# KiCad board Ultrasonic Sound Steering - Driver Rev. C.kicad_pcb
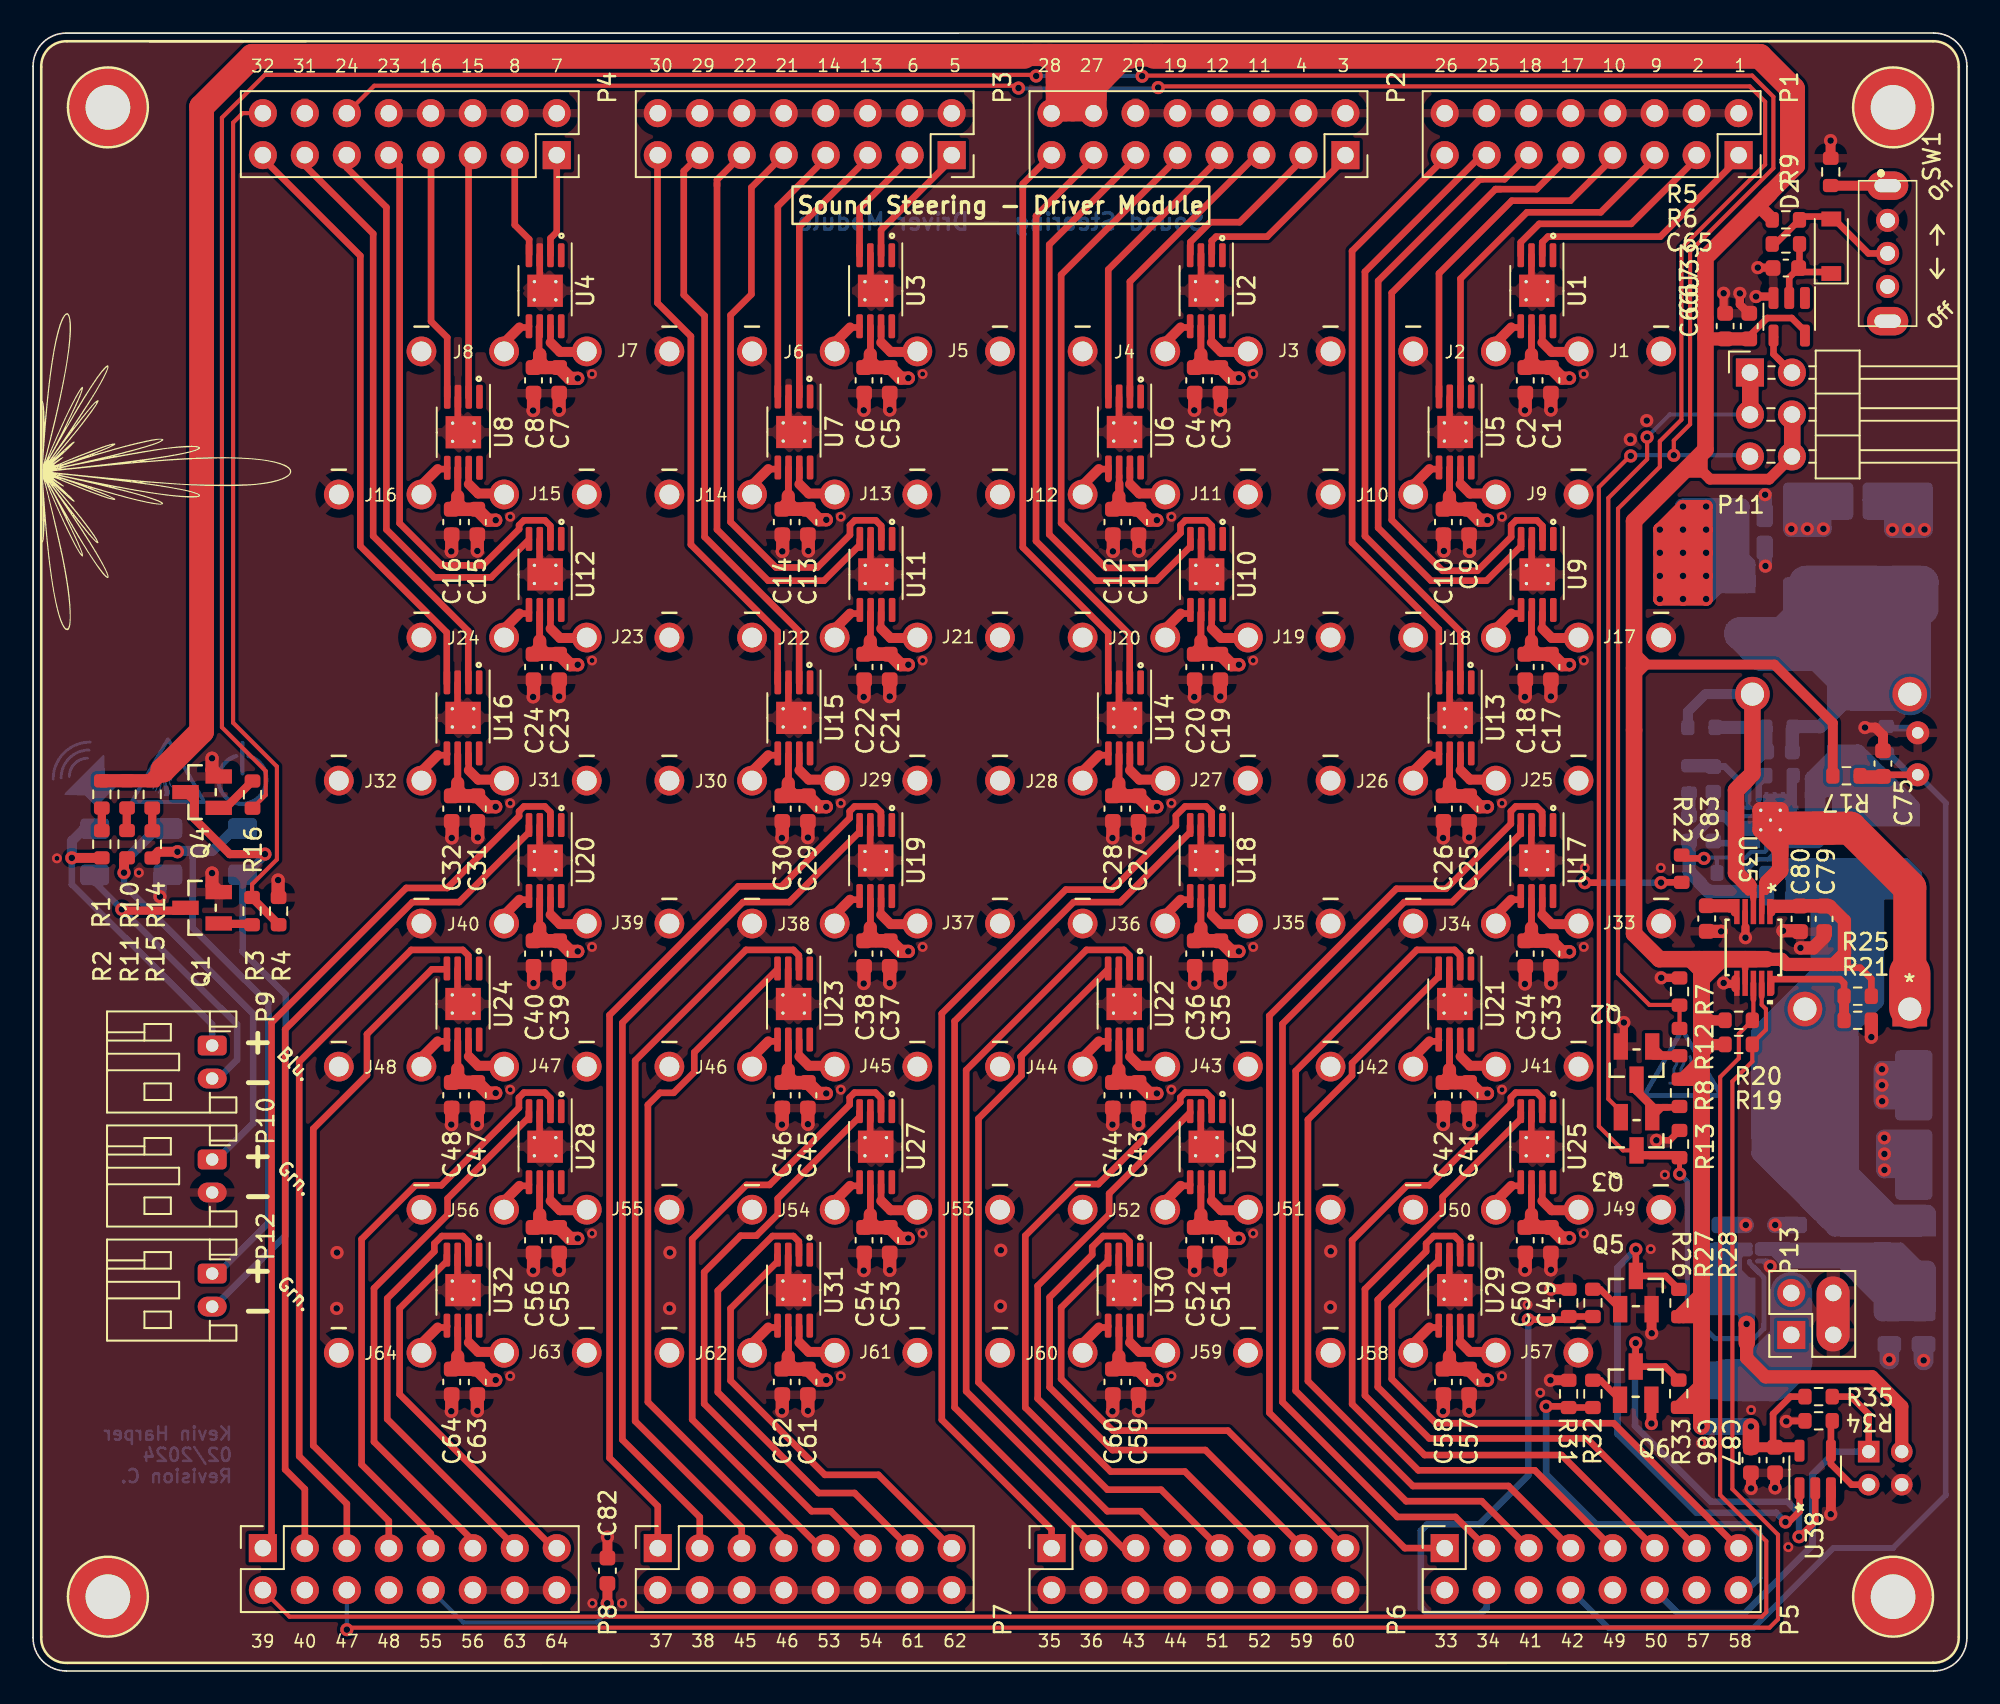
[diagram p0: board, top side]
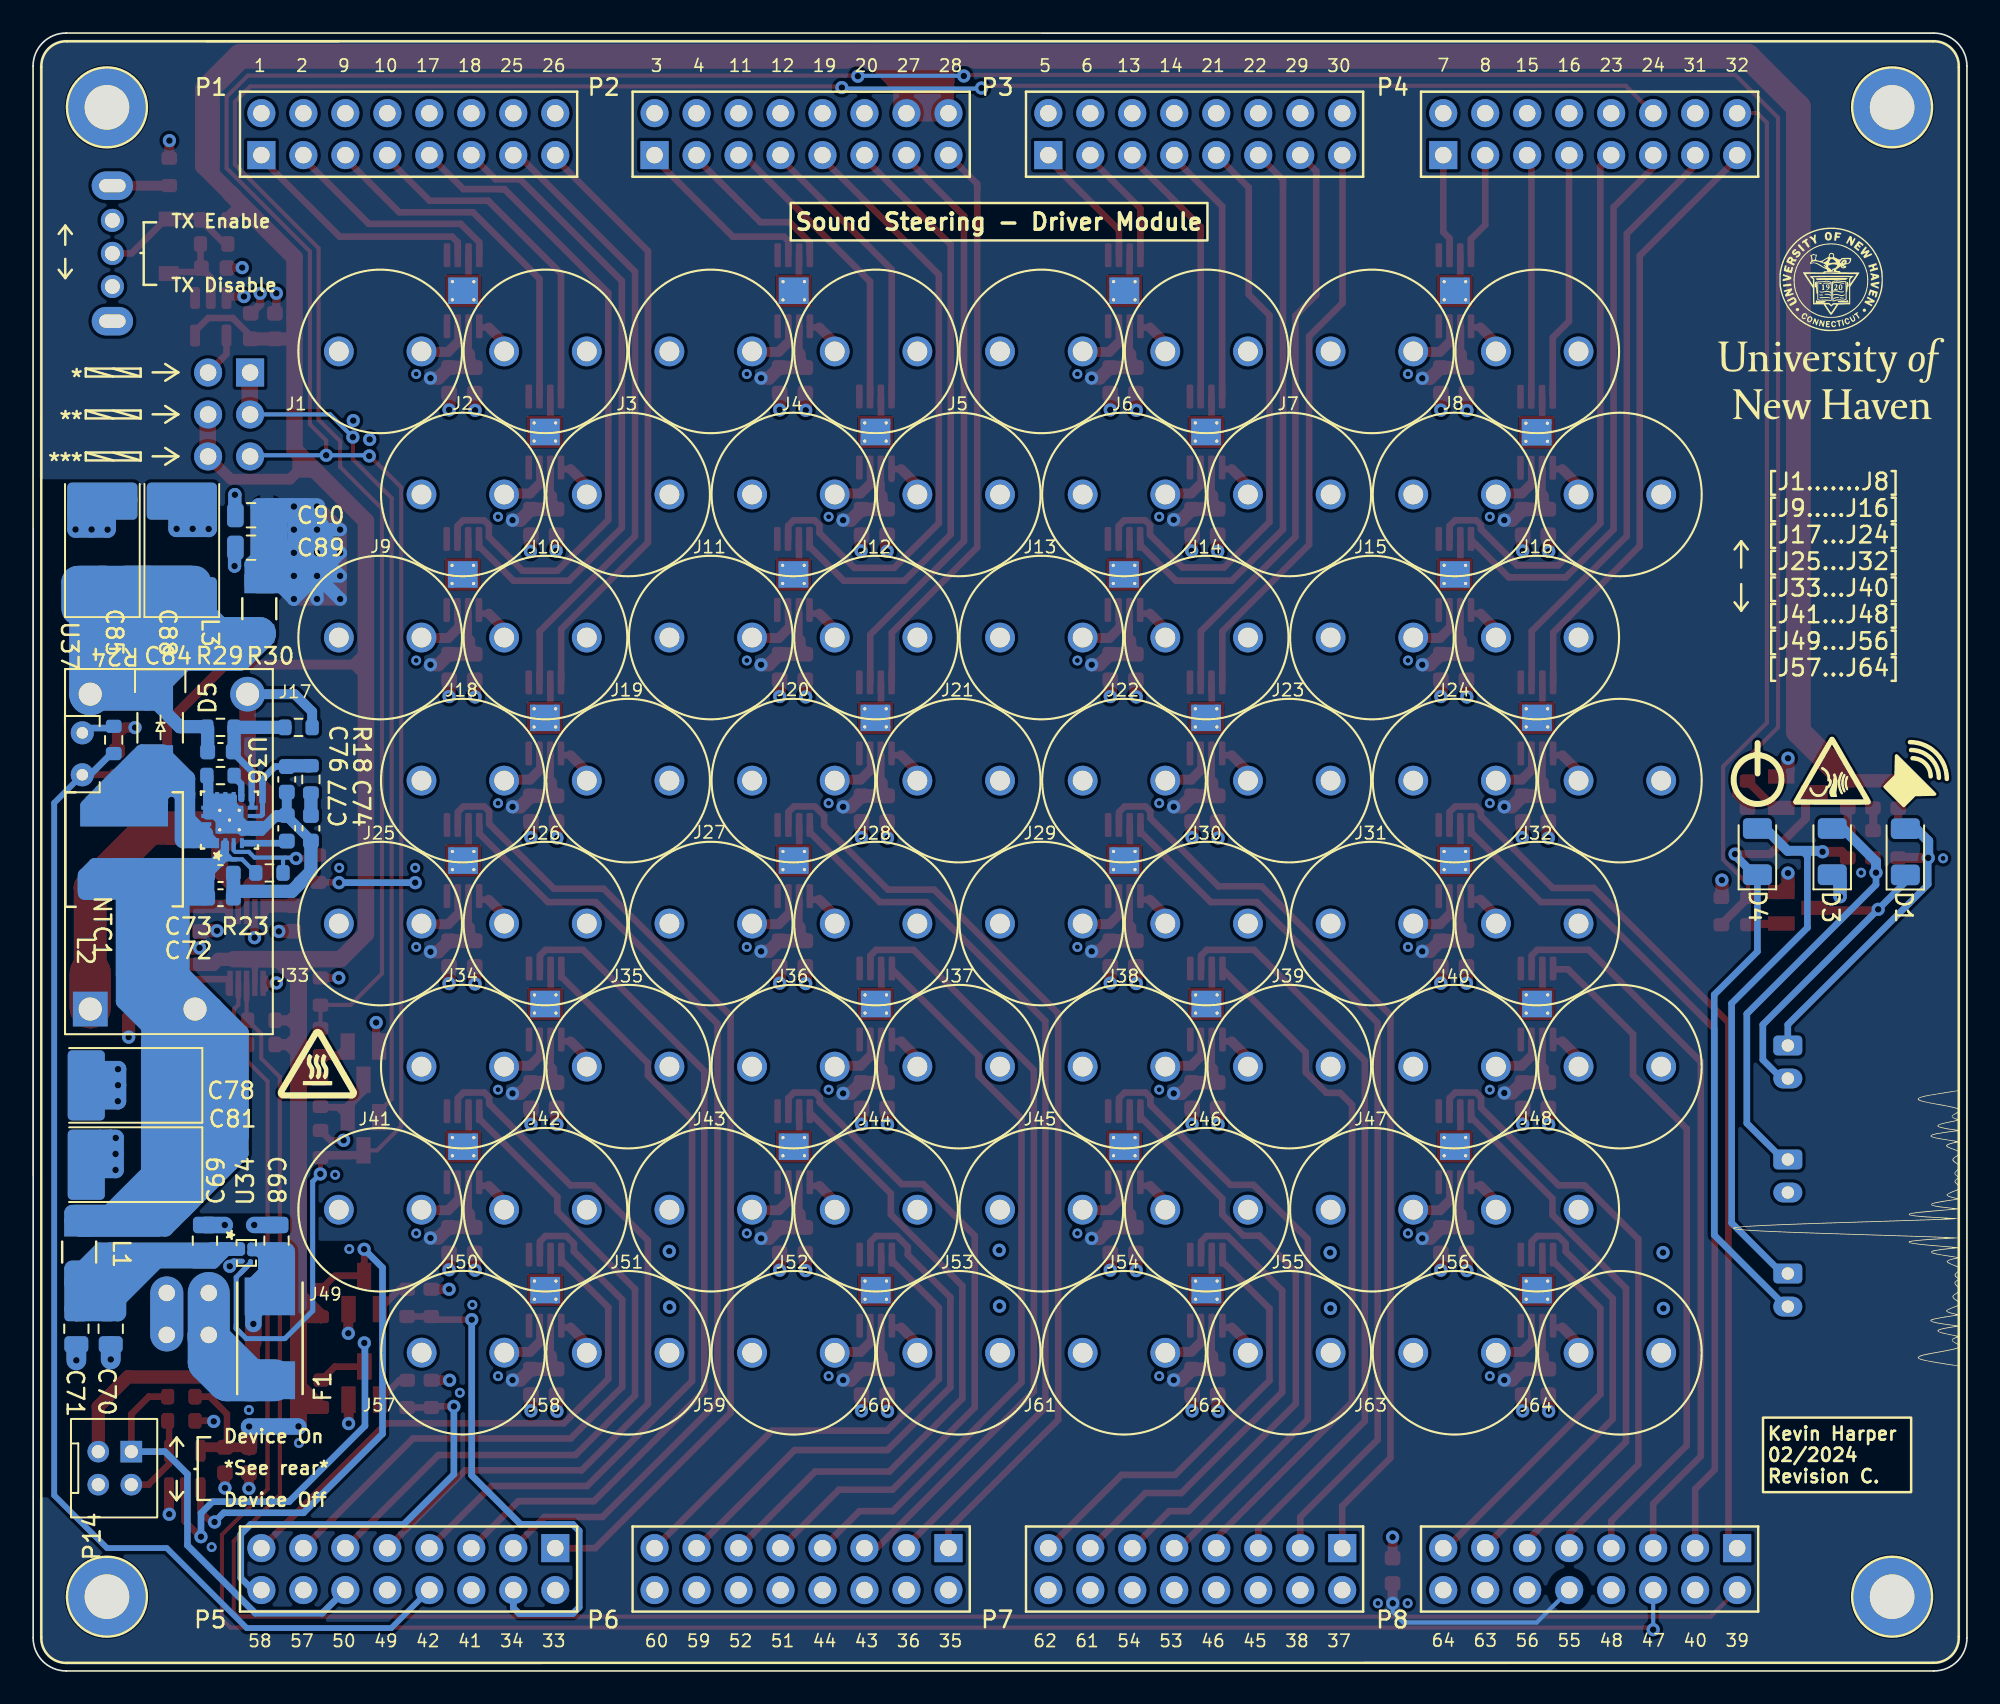
[diagram p1: board, bottom side, seen from below]

Outline 117 x 99.15 mm; copper layers: Top, In1.Cu (plane), In2.Cu (plane), Bottom (plane). Coordinates in mm from the lower left corner of the outline.
Outline path: 0,97.14 arc(0.59,98.56) 2,99.14 115,99.15 arc(116.41,98.56) 117,97.15 116.99,2 arc(116.41,0.59) 114.99,0 2,0 arc(0.59,0.59) 0,2 0,97.14
Stack: Top 0.035mm / dielectric 0.18mm FR4 er 4.5 / In1.Cu 0.035mm / dielectric 1.08mm FR4 er 4.5 / In2.Cu 0.035mm / dielectric 0.18mm FR4 er 4.5 / Bottom 0.035mm

## Placement (name value [footprint] x y rotation side)
C1  4.7µF  [C_0603_1608Metric]  91.83 78.12 270 top
C2  100nF  [C_0603_1608Metric]  90.28 78.12 270 top
C3  4.7µF  [C_0603_1608Metric]  71.83 78.12 270 top
C4  100nF  [C_0603_1608Metric]  70.28 78.12 270 top
C5  4.7µF  [C_0603_1608Metric]  51.83 78.12 270 top
C6  100nF  [C_0603_1608Metric]  50.28 78.12 270 top
C7  4.7µF  [C_0603_1608Metric]  31.83 78.12 270 top
C8  100nF  [C_0603_1608Metric]  30.28 78.12 270 top
C9  4.7µF  [C_0603_1608Metric]  86.88 69.55 270 top
C10  100nF  [C_0603_1608Metric]  85.33 69.55 270 top
C11  4.7µF  [C_0603_1608Metric]  66.88 69.55 270 top
C12  100nF  [C_0603_1608Metric]  65.33 69.55 270 top
C13  4.7µF  [C_0603_1608Metric]  46.88 69.55 270 top
C14  100nF  [C_0603_1608Metric]  45.33 69.55 270 top
C15  4.7µF  [C_0603_1608Metric]  26.88 69.55 270 top
C16  100nF  [C_0603_1608Metric]  25.33 69.55 270 top
C17  4.7µF  [C_0603_1608Metric]  91.83 60.77 270 top
C18  100nF  [C_0603_1608Metric]  90.28 60.77 270 top
C19  4.7µF  [C_0603_1608Metric]  71.83 60.77 270 top
C20  100nF  [C_0603_1608Metric]  70.28 60.77 270 top
C21  4.7µF  [C_0603_1608Metric]  51.83 60.77 270 top
C22  100nF  [C_0603_1608Metric]  50.28 60.77 270 top
C23  4.7µF  [C_0603_1608Metric]  31.83 60.77 270 top
C24  100nF  [C_0603_1608Metric]  30.28 60.77 270 top
C25  4.7µF  [C_0603_1608Metric]  86.88 52.2 270 top
C26  100nF  [C_0603_1608Metric]  85.33 52.2 270 top
C27  4.7µF  [C_0603_1608Metric]  66.88 52.2 270 top
C28  100nF  [C_0603_1608Metric]  65.33 52.2 270 top
C29  4.7µF  [C_0603_1608Metric]  46.88 52.2 270 top
C30  100nF  [C_0603_1608Metric]  45.33 52.2 270 top
C31  4.7µF  [C_0603_1608Metric]  26.88 52.2 270 top
C32  100nF  [C_0603_1608Metric]  25.33 52.2 270 top
C33  4.7µF  [C_0603_1608Metric]  91.83 43.42 270 top
C34  100nF  [C_0603_1608Metric]  90.28 43.42 270 top
C35  4.7µF  [C_0603_1608Metric]  71.83 43.42 270 top
C36  100nF  [C_0603_1608Metric]  70.28 43.42 270 top
C37  4.7µF  [C_0603_1608Metric]  51.83 43.42 270 top
C38  100nF  [C_0603_1608Metric]  50.28 43.42 270 top
C39  4.7µF  [C_0603_1608Metric]  31.83 43.42 270 top
C40  100nF  [C_0603_1608Metric]  30.28 43.42 270 top
C41  4.7µF  [C_0603_1608Metric]  86.88 34.85 270 top
C42  100nF  [C_0603_1608Metric]  85.33 34.85 270 top
C43  4.7µF  [C_0603_1608Metric]  66.88 34.85 270 top
C44  100nF  [C_0603_1608Metric]  65.33 34.85 270 top
C45  4.7µF  [C_0603_1608Metric]  46.88 34.85 270 top
C46  100nF  [C_0603_1608Metric]  45.33 34.85 270 top
C47  4.7µF  [C_0603_1608Metric]  26.88 34.85 270 top
C48  100nF  [C_0603_1608Metric]  25.33 34.85 270 top
C49  4.7µF  [C_0603_1608Metric]  91.83 26.07 270 top
C50  100nF  [C_0603_1608Metric]  90.28 26.07 270 top
C51  4.7µF  [C_0603_1608Metric]  71.83 26.07 270 top
C52  100nF  [C_0603_1608Metric]  70.28 26.07 270 top
C53  4.7µF  [C_0603_1608Metric]  51.83 26.07 270 top
C54  100nF  [C_0603_1608Metric]  50.28 26.07 270 top
C55  4.7µF  [C_0603_1608Metric]  31.83 26.07 270 top
C56  100nF  [C_0603_1608Metric]  30.28 26.07 270 top
C57  4.7µF  [C_0603_1608Metric]  86.88 17.5 270 top
C58  100nF  [C_0603_1608Metric]  85.33 17.5 270 top
C59  4.7µF  [C_0603_1608Metric]  66.88 17.5 270 top
C60  100nF  [C_0603_1608Metric]  65.33 17.5 270 top
C61  4.7µF  [C_0603_1608Metric]  46.88 17.5 270 top
C62  100nF  [C_0603_1608Metric]  45.33 17.5 270 top
C63  4.7µF  [C_0603_1608Metric]  26.88 17.5 270 top
C64  100nF  [C_0603_1608Metric]  25.33 17.5 270 top
C65  1µF  [C_0603_1608Metric]  106.04 84.92 180 top
C66  1µF  [C_0603_1608Metric]  102.37 81.41 90 top
C67  100nF  [C_0603_1608Metric]  103.83 81.41 90 top
C68  10µF  [C_0805_2012Metric]  102.27 26.05 270 bottom
C69  GMC21X5R226M35NT  [C_0805]  106.6 26.05 270 bottom
C70  GMC21X5R226M35NT  [C_0805_2012Metric]  112.3 20.72 90 bottom
C71  GMC21X5R226M35NT  [C_0805_2012Metric]  114.38 20.72 90 bottom
C72  10µF  [C_0603]  105.66 46.83 0 bottom
C73  100nF  [C_0603]  105.66 48.29 0 bottom
C74  100nF  [C_0603]  100.17 51.01 90 bottom
C75  100nF  [C_0603]  111.94 54.93 90 top
C76  100pF  [C_0603]  101.63 53.97 90 bottom
C77  47nF  [C_0603]  101.67 51.01 270 bottom
C78  T59EE157M030C0075  [CAP_TANT_POLY_7343]  108.05 35.45 0 bottom
C79  10µF  [C_0603_1608Metric]  108.36 45.53 90 top
C80  100nF  [C_0603]  106.92 45.53 90 top
C81  T59EE157M030C0075  [CAP_TANT_POLY_7343]  108.05 30.65 0 bottom
C82  1µF  [C_0603_1608Metric]  34.75 6.07 90 top
C83  1µF  [C_0603_1608Metric]  101.25 45.55 270 top
C84  100pF  [C_0603]  105.66 55.68 0 bottom
C85  T59EE157M030C0075  [CAP_TANT_POLY_7343]  112.8 65.09 90 bottom
C86  100nF  [C_0603]  103.91 12.77 270 top
C87  1µF  [C_0603]  105.37 12.77 270 top
C88  T59EE157M030C0075  [CAP_TANT_POLY_7343]  108 65.09 90 bottom
C89  GMC21X5R226M35NT  [C_0805_2012Metric]  103.81 68 180 bottom
C90  GMC21X5R226M35NT  [C_0805_2012Metric]  103.81 69.96 180 bottom
D1  BL-HB333Q-AV-TRB  [LED_1206_3216Metric]  3.73 49.59 90 bottom
D2  BAT54H,115  [D_SOD-123]  108.79 86.24 90 top
D3  150120VS75000  [LED_1206_3216Metric]  8.15 49.6 90 bottom
D4  150120VS75000  [LED_1206_3216Metric]  12.68 49.6 90 bottom
D5  LS56  [D_DO-221AC]  109.28 57.09 270 bottom
F1  0157003.DR  [F_0157_SMD2]  102.62 20.24 270 bottom
G***  LOGO  [officialLogo]  9.27 72.85 270 top
G***#2  LOGO  [sound5x5]  3.12 54.25 135 bottom
G***#3  LOGO  [sound5x5]  3.12 54.25 135 bottom
G***#4  LOGO  [on3.5x4]  12.71 54.31 180 bottom
G***#5  LOGO  [MISO4201_4_7x4_1]  99.8 36.76 180 bottom
G***#6  LOGO  [on3.5x4]  12.71 54.31 180 bottom
G***#7  LOGO  [utyrtyt]  7.28 26.8 90 bottom
G***#8  LOGO  [unhlogo15x12]  8.22 81.57 180 bottom
G***#9  LOGO  [SUDDENlOUD5]  8.17 54.42 180 bottom
G***#10  LOGO  [MISO4201_4_7x4_1]  99.8 36.76 180 bottom
G***#11  LOGO  [SUDDENlOUD5]  8.17 54.42 180 bottom
H1  MountingHole_M2.5  [MountingHole_2.7mm_M2.5_DIN965_Pad]  112.53 94.65 0 top
H2  MountingHole_M2.5  [MountingHole_2.7mm_M2.5_DIN965_Pad]  4.53 94.65 0 top
H3  MountingHole_M2.5  [MountingHole_2.7mm_M2.5_DIN965_Pad]  112.53 4.5 0 top
H4  MountingHole_M2.5  [MountingHole_2.7mm_M2.5_DIN965_Pad]  4.53 4.5 0 top
J1  MSO-P1040H07T  [XDCR_MA40S4S]  96 79.87 0 bottom
J2  MSO-P1040H07T  [XDCR_MA40S4S]  86 79.87 180 bottom
J3  MSO-P1040H07T  [XDCR_MA40S4S]  76 79.87 0 bottom
J4  MSO-P1040H07T  [XDCR_MA40S4S]  66 79.87 180 bottom
J5  MSO-P1040H07T  [XDCR_MA40S4S]  56 79.87 0 bottom
J6  MSO-P1040H07T  [XDCR_MA40S4S]  46 79.87 180 bottom
J7  MSO-P1040H07T  [XDCR_MA40S4S]  36 79.87 0 bottom
J8  MSO-P1040H07T  [XDCR_MA40S4S]  26 79.87 180 bottom
J9  MSO-P1040H07T  [XDCR_MA40S4S]  91 71.21 0 bottom
J10  MSO-P1040H07T  [XDCR_MA40S4S]  81 71.21 180 bottom
J11  MSO-P1040H07T  [XDCR_MA40S4S]  71 71.21 0 bottom
J12  MSO-P1040H07T  [XDCR_MA40S4S]  61 71.21 180 bottom
J13  MSO-P1040H07T  [XDCR_MA40S4S]  51 71.21 0 bottom
J14  MSO-P1040H07T  [XDCR_MA40S4S]  41 71.21 180 bottom
J15  MSO-P1040H07T  [XDCR_MA40S4S]  31 71.21 0 bottom
J16  MSO-P1040H07T  [XDCR_MA40S4S]  21 71.21 180 bottom
J17  MSO-P1040H07T  [XDCR_MA40S4S]  96 62.55 0 bottom
J18  MSO-P1040H07T  [XDCR_MA40S4S]  86 62.55 180 bottom
J19  MSO-P1040H07T  [XDCR_MA40S4S]  76 62.55 0 bottom
J20  MSO-P1040H07T  [XDCR_MA40S4S]  66 62.55 180 bottom
J21  MSO-P1040H07T  [XDCR_MA40S4S]  56 62.55 0 bottom
J22  MSO-P1040H07T  [XDCR_MA40S4S]  46 62.55 180 bottom
J23  MSO-P1040H07T  [XDCR_MA40S4S]  36 62.55 0 bottom
J24  MSO-P1040H07T  [XDCR_MA40S4S]  26 62.55 180 bottom
J25  MSO-P1040H07T  [XDCR_MA40S4S]  91 53.89 0 bottom
J26  MSO-P1040H07T  [XDCR_MA40S4S]  81 53.89 180 bottom
J27  MSO-P1040H07T  [XDCR_MA40S4S]  71 53.89 0 bottom
J28  MSO-P1040H07T  [XDCR_MA40S4S]  61 53.89 180 bottom
J29  MSO-P1040H07T  [XDCR_MA40S4S]  51 53.89 0 bottom
J30  MSO-P1040H07T  [XDCR_MA40S4S]  41 53.89 180 bottom
J31  MSO-P1040H07T  [XDCR_MA40S4S]  31 53.89 0 bottom
J32  MSO-P1040H07T  [XDCR_MA40S4S]  21 53.89 180 bottom
J33  MSO-P1040H07T  [XDCR_MA40S4S]  96 45.24 0 bottom
J34  MSO-P1040H07T  [XDCR_MA40S4S]  86 45.24 180 bottom
J35  MSO-P1040H07T  [XDCR_MA40S4S]  76 45.24 0 bottom
J36  MSO-P1040H07T  [XDCR_MA40S4S]  66 45.24 180 bottom
J37  MSO-P1040H07T  [XDCR_MA40S4S]  56 45.24 0 bottom
J38  MSO-P1040H07T  [XDCR_MA40S4S]  46 45.24 180 bottom
J39  MSO-P1040H07T  [XDCR_MA40S4S]  36 45.24 0 bottom
J40  MSO-P1040H07T  [XDCR_MA40S4S]  26 45.24 180 bottom
J41  MSO-P1040H07T  [XDCR_MA40S4S]  91 36.58 0 bottom
J42  MSO-P1040H07T  [XDCR_MA40S4S]  81 36.58 180 bottom
J43  MSO-P1040H07T  [XDCR_MA40S4S]  71 36.58 0 bottom
J44  MSO-P1040H07T  [XDCR_MA40S4S]  61 36.58 180 bottom
J45  MSO-P1040H07T  [XDCR_MA40S4S]  51 36.58 0 bottom
J46  MSO-P1040H07T  [XDCR_MA40S4S]  41 36.58 180 bottom
J47  MSO-P1040H07T  [XDCR_MA40S4S]  31 36.58 0 bottom
J48  MSO-P1040H07T  [XDCR_MA40S4S]  21 36.58 180 bottom
J49  MSO-P1040H07T  [XDCR_MA40S4S]  96 27.92 0 bottom
J50  MSO-P1040H07T  [XDCR_MA40S4S]  86 27.92 180 bottom
J51  MSO-P1040H07T  [XDCR_MA40S4S]  76 27.92 0 bottom
J52  MSO-P1040H07T  [XDCR_MA40S4S]  66 27.92 180 bottom
J53  MSO-P1040H07T  [XDCR_MA40S4S]  56 27.92 0 bottom
J54  MSO-P1040H07T  [XDCR_MA40S4S]  46 27.92 180 bottom
J55  MSO-P1040H07T  [XDCR_MA40S4S]  36 27.92 0 bottom
J56  MSO-P1040H07T  [XDCR_MA40S4S]  26 27.92 180 bottom
J57  MSO-P1040H07T  [XDCR_MA40S4S]  90.99 19.27 0 bottom
J58  MSO-P1040H07T  [XDCR_MA40S4S]  81 19.26 180 bottom
J59  MSO-P1040H07T  [XDCR_MA40S4S]  71 19.26 0 bottom
J60  MSO-P1040H07T  [XDCR_MA40S4S]  61 19.26 180 bottom
J61  MSO-P1040H07T  [XDCR_MA40S4S]  51 19.26 0 bottom
J62  MSO-P1040H07T  [XDCR_MA40S4S]  41 19.26 180 bottom
J63  MSO-P1040H07T  [XDCR_MA40S4S]  31 19.26 0 bottom
J64  MSO-P1040H07T  [XDCR_MA40S4S]  21 19.26 180 bottom
L1  HI1206T161R-10  [IND_HI1206T161R-10_LRD]  114.21 25.36 90 bottom
L2  74439346100  [L_SMD2_WURTH_6.45x6.45x5.8H]  111.52 49.75 90 bottom
L3  HI1206T161R-10  [IND_HI1206T161R-10_LRD]  103.31 64.3 90 bottom
NTC1  NCP18XH103F03RB  [R_0603]  112.14 56.36 90 bottom
NTC1_ALT1  MF52C1103F3380  [R_DIN0204]  114.07 55.5 90 bottom
P1  PH2-16-UA  [PinHEADER_2x08_P2.54mm_Vertical]  103.18 91.76 270 top
P2  PH2-16-UA  [PinHEADER_2x08_P2.54mm_Vertical]  79.4 91.76 270 top
P3  PH2-16-UA  [PinHEADER_2x08_P2.54mm_Vertical]  55.57 91.76 270 top
P4  PH2-16-UA  [PinHEADER_2x08_P2.54mm_Vertical]  31.68 91.76 270 top
P5  PH2-16-UA  [PinHEADER_2x08_P2.54mm_Vertical]  85.4 7.44 90 top
P6  PH2-16-UA  [PinHEADER_2x08_P2.54mm_Vertical]  61.62 7.44 90 top
P7  PH2-16-UA  [PinHEADER_2x08_P2.54mm_Vertical]  37.79 7.44 90 top
P8  PH2-16-UA  [PinHEADER_2x08_P2.54mm_Vertical]  13.9 7.44 90 top
P9  S2B-PH-K-S  [JST_PH_S2B-PH-K_1x02_P2.00mm_Horizontal]  10.84 37.86 270 top
P10  S2B-PH-K-S  [JST_PH_S2B-PH-K_1x02_P2.00mm_Horizontal]  10.84 30.96 270 top
P11  PH2RA-06-UA  [PinHeader_2x03_P2.54mm_Horizontal]  103.87 78.6 0 top
P12  S2B-PH-K-S  [JST_PH_S2B-PH-K_1x02_P2.00mm_Horizontal]  10.84 24.06 270 top
P13  PH2-04-UA  [PinHeader_2x02_P2.54mm_Vertical]  106.37 20.34 90 top
P14  SWR204-NRTN-D02-ST-GA  [CONN_SWR204_D-02]  109.36 11.48 270 bottom
Q1  DMN65D8L  [DMP3099L-7_DIO]  10.23 46.2 90 top
Q2  DMN65D8L  [DMP3099L-7_DIO]  97.01 36.79 180 top
Q3  DMP3099L  [DMP3099L-7_DIO]  97.01 32.52 180 top
Q4  DMN65D8L  [DMP3099L-7_DIO]  10.23 53.2 90 top
Q5  DMN65D8L  [T_SOT23]  96.97 22.91 0 top
Q6  DMN65D8L  [T_SOT23]  96.96 17.42 0 top
R1  1.2kΩ  [R_0603_1608Metric]  4.16 53.06 90 top
R2  0Ω  [R_0603_1608Metric]  4.16 50.04 270 top
R3  100Ω  [R_0603_1608Metric]  13.25 46 270 top
R4  4.7kΩ  [R_0603_1608Metric]  14.85 46 270 top
R5  10kΩ  [R_0603_1608Metric]  106.04 87.84 0 top
R6  10kΩ  [R_0603_1608Metric]  106.04 86.38 0 top
R7  4.7kΩ  [R_0603_1608Metric]  99.61 41.13 270 top
R8  100Ω  [R_0603_1608Metric]  99.61 38.07 270 top
R9  0Ω  [R_0603_1608Metric]  108.76 90.74 270 top
R10  180Ω  [R_0603_1608Metric]  5.69 53.07 270 top
R11  0Ω  [R_0603_1608Metric]  5.69 50.05 270 top
R12  4.7kΩ  [R_0603_1608Metric]  99.61 34.99 90 top
R13  4.7kΩ  [R_0603_1608Metric]  99.61 31.89 270 top
R14  180Ω  [R_0603_1608Metric]  7.21 53.06 270 top
R15  0Ω  [R_0603_1608Metric]  7.22 50.04 270 top
R16  100Ω  [R_0603_1608Metric]  13.28 53.05 90 top
R17  20kΩ  [R_0603]  109.71 54.17 180 top
R18  2.55kΩ  [R_0603]  100.21 53.97 90 bottom
R19  4.7kΩ  [R_0603_1608Metric]  103.19 37.93 0 top
R20  4.7kΩ  [R_0603_1608Metric]  103.19 39.39 0 top
R21  4.7kΩ  [R_0603_1608Metric]  110.39 40.84 180 top
R22  0Ω  [R_0603]  99.76 48.56 270 top
R23  0Ω  [R_0603]  102.7 48.29 0 bottom
R24  78.7kΩ  [R_0603]  105.66 54.22 180 bottom
R25  4.7kΩ  [R_0603_1608Metric]  110.39 39.39 180 top
R26  4.7kΩ  [R_0603]  92.93 22.28 270 top
R27  100Ω  [R_0603]  94.35 22.28 90 top
R28  4.7kΩ  [R_0603]  99.56 22.27 90 top
R29  150kΩ  [R_0603]  105.66 57.1 0 bottom
R30  10kΩ  [R_0603]  100.94 57.1 0 bottom
R31  4.7kΩ  [R_0603]  92.92 16.77 270 top
R32  100Ω  [R_0603]  94.35 16.77 90 top
R33  4.7kΩ  [R_0603]  99.54 16.78 90 top
R34  4.7kΩ  [R_0603]  108.02 15.12 180 top
R35  4.7kΩ  [R_0603]  108.02 16.63 0 top
REF**  -  [NetTie-2_SMD_Pad0.5mm]  105.7 50.42 90 top
REF**#2  -  [NetTie-2_SMD_Pad0.5mm]  106.2 50.92 180 top
SW1  EG1247  [MFS101D10Z]  112.2 87.81 90 top
U1  MIC4127  [MSOP-8-1EP_3x3mm_P0.65mm_EP1.95x2.15mm_ThermalVias_mic4127alt]  90.98 83.55 270 top
U2  MIC4127  [MSOP-8-1EP_3x3mm_P0.65mm_EP1.95x2.15mm_ThermalVias_mic4127alt]  70.98 83.55 270 top
U3  MIC4127  [MSOP-8-1EP_3x3mm_P0.65mm_EP1.95x2.15mm_ThermalVias_mic4127alt]  50.98 83.55 270 top
U4  MIC4127  [MSOP-8-1EP_3x3mm_P0.65mm_EP1.95x2.15mm_ThermalVias_mic4127alt]  30.98 83.55 270 top
U5  MIC4127  [MSOP-8-1EP_3x3mm_P0.65mm_EP1.95x2.15mm_ThermalVias_mic4127alt]  86.03 75 270 top
U6  MIC4127  [MSOP-8-1EP_3x3mm_P0.65mm_EP1.95x2.15mm_ThermalVias_mic4127alt]  66.03 75 270 top
U7  MIC4127  [MSOP-8-1EP_3x3mm_P0.65mm_EP1.95x2.15mm_ThermalVias_mic4127alt]  46.03 75 270 top
U8  MIC4127  [MSOP-8-1EP_3x3mm_P0.65mm_EP1.95x2.15mm_ThermalVias_mic4127alt]  26.03 74.98 270 top
U9  MIC4127  [MSOP-8-1EP_3x3mm_P0.65mm_EP1.95x2.15mm_ThermalVias_mic4127alt]  91 66.37 270 top
U10  MIC4127  [MSOP-8-1EP_3x3mm_P0.65mm_EP1.95x2.15mm_ThermalVias_mic4127alt]  70.99 66.38 270 top
U11  MIC4127  [MSOP-8-1EP_3x3mm_P0.65mm_EP1.95x2.15mm_ThermalVias_mic4127alt]  50.99 66.38 270 top
U12  MIC4127  [MSOP-8-1EP_3x3mm_P0.65mm_EP1.95x2.15mm_ThermalVias_mic4127alt]  30.98 66.38 270 top
U13  MIC4127  [MSOP-8-1EP_3x3mm_P0.65mm_EP1.95x2.15mm_ThermalVias_mic4127alt]  86.03 57.69 270 top
U14  MIC4127  [MSOP-8-1EP_3x3mm_P0.65mm_EP1.95x2.15mm_ThermalVias_mic4127alt]  66.03 57.69 270 top
U15  MIC4127  [MSOP-8-1EP_3x3mm_P0.65mm_EP1.95x2.15mm_ThermalVias_mic4127alt]  46.03 57.69 270 top
U16  MIC4127  [MSOP-8-1EP_3x3mm_P0.65mm_EP1.95x2.15mm_ThermalVias_mic4127alt]  26.01 57.69 270 top
U17  MIC4127  [MSOP-8-1EP_3x3mm_P0.65mm_EP1.95x2.15mm_ThermalVias_mic4127alt]  90.98 49.05 270 top
U18  MIC4127  [MSOP-8-1EP_3x3mm_P0.65mm_EP1.95x2.15mm_ThermalVias_mic4127alt]  70.98 49.05 270 top
U19  MIC4127  [MSOP-8-1EP_3x3mm_P0.65mm_EP1.95x2.15mm_ThermalVias_mic4127alt]  50.98 49.05 270 top
U20  MIC4127  [MSOP-8-1EP_3x3mm_P0.65mm_EP1.95x2.15mm_ThermalVias_mic4127alt]  30.98 49.05 270 top
U21  MIC4127  [MSOP-8-1EP_3x3mm_P0.65mm_EP1.95x2.15mm_ThermalVias_mic4127alt]  86.01 40.37 270 top
U22  MIC4127  [MSOP-8-1EP_3x3mm_P0.65mm_EP1.95x2.15mm_ThermalVias_mic4127alt]  66.01 40.37 270 top
U23  MIC4127  [MSOP-8-1EP_3x3mm_P0.65mm_EP1.95x2.15mm_ThermalVias_mic4127alt]  46.01 40.37 270 top
U24  MIC4127  [MSOP-8-1EP_3x3mm_P0.65mm_EP1.95x2.15mm_ThermalVias_mic4127alt]  26.01 40.37 270 top
U25  MIC4127  [MSOP-8-1EP_3x3mm_P0.65mm_EP1.95x2.15mm_ThermalVias_mic4127alt]  90.98 31.73 270 top
U26  MIC4127  [MSOP-8-1EP_3x3mm_P0.65mm_EP1.95x2.15mm_ThermalVias_mic4127alt]  70.98 31.73 270 top
U27  MIC4127  [MSOP-8-1EP_3x3mm_P0.65mm_EP1.95x2.15mm_ThermalVias_mic4127alt]  50.98 31.73 270 top
U28  MIC4127  [MSOP-8-1EP_3x3mm_P0.65mm_EP1.95x2.15mm_ThermalVias_mic4127alt]  30.98 31.73 270 top
U29  MIC4127  [MSOP-8-1EP_3x3mm_P0.65mm_EP1.95x2.15mm_ThermalVias_mic4127alt]  86.01 23.05 270 top
U30  MIC4127  [MSOP-8-1EP_3x3mm_P0.65mm_EP1.95x2.15mm_ThermalVias_mic4127alt]  66.01 23.05 270 top
U31  MIC4127  [MSOP-8-1EP_3x3mm_P0.65mm_EP1.95x2.15mm_ThermalVias_mic4127alt]  46.01 23.05 270 top
U32  MIC4127  [MSOP-8-1EP_3x3mm_P0.65mm_EP1.95x2.15mm_ThermalVias_mic4127alt]  26.01 23.05 270 top
U33  SN74LVC1G14DBVR  [SOT-23-5]  106.24 81.97 270 top
U34  KTS1605EUB-1  [IC_WLCSP-6_0.5P]  104.09 25.31 270 bottom
U35  AD5272BRMZ-50-RL7  [RM_10_ADI]  104.08 43.8 270 top
U36  TPS55340RTER  [IC_WQFN-16_EP_3x3]  105.14 51.51 90 bottom
U37  PTN04050CAD  [CONV_PTN04050CAD]  108.78 49.6 90 bottom
U38  SN74LVC1G02DBVR  [IC_SOT23-5]  107.82 12.2 90 top

## Library data of the parts
J3-J64 = -: Description: ULTRASONIC SENSOR TRANS 40KHZ; AVAILABILITY: Unavailable; Availability: In Stock; Check_prices: https://www.snapeda.com/parts/MA40S4S/Murata+Electronics+North+America/view-part/?ref=eda; DESCRIPTION: ULTRASONIC SENSOR RCVR 40KHZ; MF: Murata Electronics; MP: MA40S4S; PACKAGE: None; PRICE: None; Package: Radial-2 Murata; Price: None; Purchase-URL: https://www.snapeda.com/api/url_track_click_mouser/?unipart_id=341029&manufacturer=Murata Electronics&part_name=MA40S4S&search_term=ma40s; SnapEDA_Link: https://www.snapeda.com/parts/MA40S4S/Murata+Electronics+North+America/view-part/?ref=snap
SW1 = -: MANUFACTURER: E-Switch; MAXIMUM_PACKAGE_HEIGHT: 4.7mm; PARTREV: -; STANDARD: Manufacturer Recommendations
U37 = -: MANUFACTURER: Texas Instruments; MAXIMUM_PACKAGE_HEIGHT: 8.5mm; PARTREV: A; STANDARD: Manufacturer Recommendations
